# Altium PCB Encode.PcbDoc
Units mm, origin at the board's own origin, x right, y up, seen from the top; angles counter-clockwise.
Board outline 19.1 x 19.1 mm, 2 copper layers (Top Layer, Bottom Layer), stack 0.8 mm thick; 4 components, 10 nets, 50 pads, 13 vias.
Unrouted connection lines stored in the file: 4.
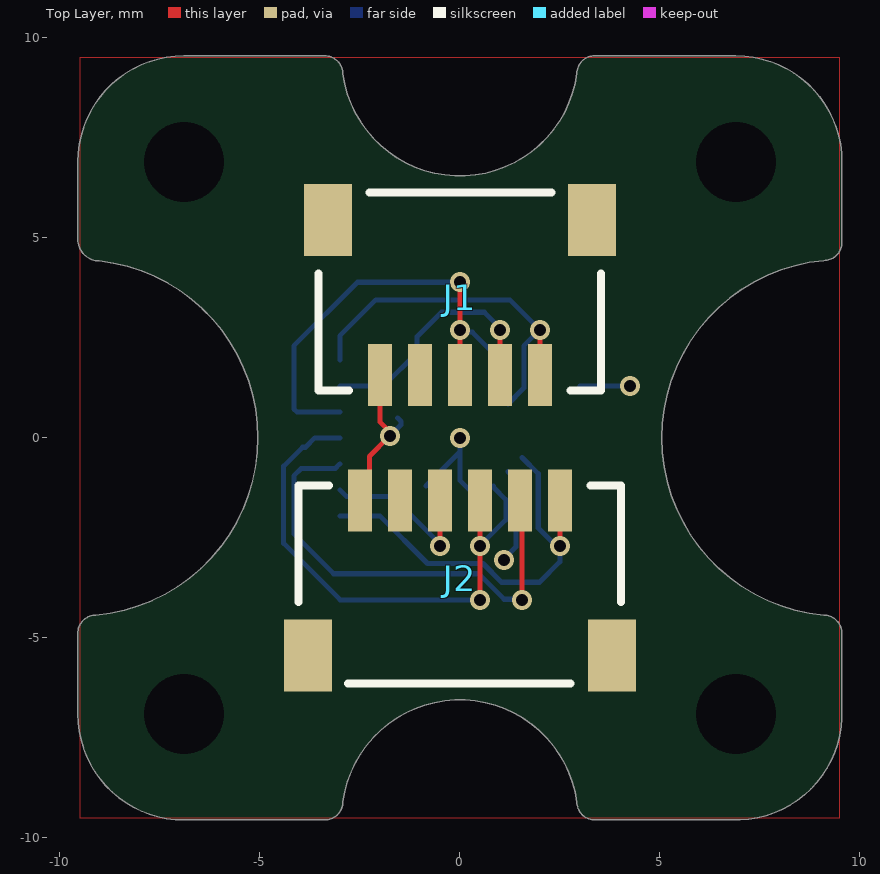
[diagram p0: Top Layer view]
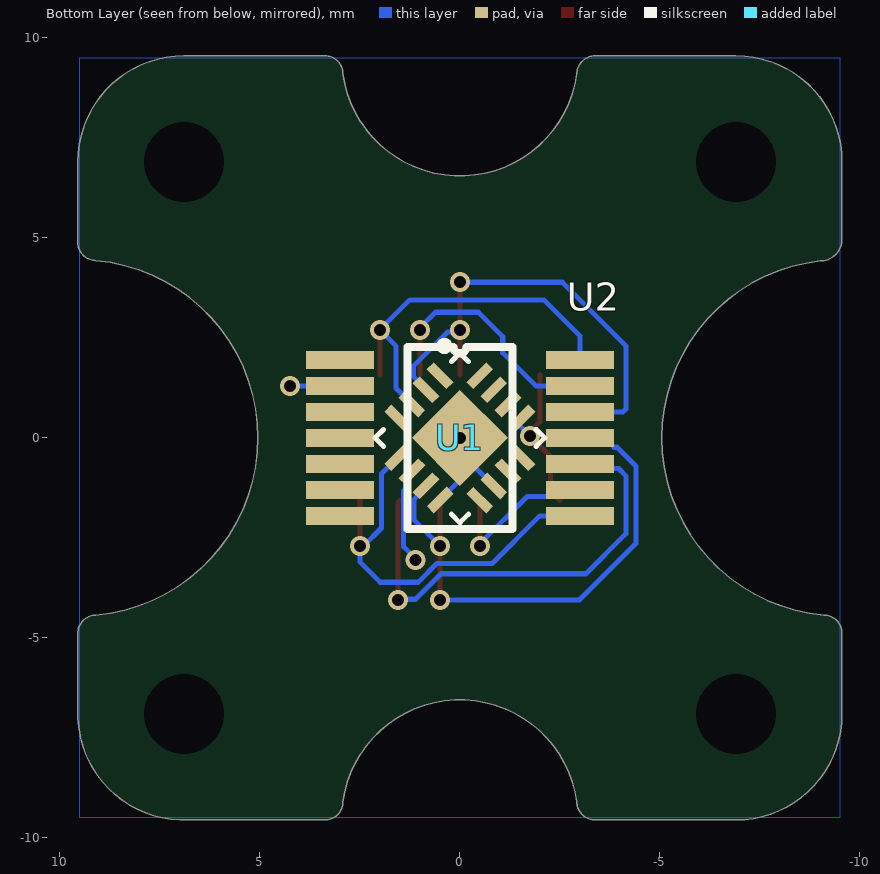
[diagram p1: Bottom Layer view, seen from below]

## Layer stack, top to bottom
Top Solder: solder mask 0.01, Solder Resist, Dk 3.5
Top Layer: signal copper 0.035
Dielectric 1: dielectric 0.73, FR-4, Dk 4.8
Bottom Layer: signal copper 0.035
Bottom Solder: solder mask 0.01, Solder Resist, Dk 3.5

## Board outline
-9.552,-6.9 ccw(c-6.9,-6.9) -6.9,-9.552 -6.886,-9.55 -3.378,-9.55 ccw(c-3.378,-9.097) -2.924,-9.1 cw(c0,-9.5) 2.925,-9.107 ccw(c3.372,-9.103) 3.372,-9.55 6.886,-9.55 7.003,-9.55 ccw(c6.9,-6.9) 9.55,-7.005 9.55,-6.886 9.55,-4.886 ccw(c9.097,-4.886) 9.099,-4.433 cw(c9.5,0) 9.099,4.433 ccw(c9.097,4.886) 9.55,4.886 9.55,6.886 9.552,6.9 ccw(c6.9,6.9) 6.9,9.552 6.886,9.55 3.367,9.55 ccw(c3.367,9.11) 2.926,9.113 cw(c0,9.5) -2.924,9.1 ccw(c-3.378,9.097) -3.378,9.55 -6.886,9.55 -6.9,9.552 ccw(c-6.9,6.9) -9.552,6.9 -9.55,6.886 -9.55,4.961 ccw(c-9.014,4.961) -9.016,4.424 cw(c-9.5,0) -5.049,0 cw(c-9.5,0) -9.104,-4.433 ccw(c-9.101,-4.882) -9.55,-4.882

## Design rules (kind name [scope] priority, off if disabled: settings)
BoardOutlineClearance [All] p1: gap=0.254 ignorepadtopadclearanceinfootprint=FALSE except(0: Arc-SplitContinuation Track-SplitContinuation SMDPad-SplitContinuation THPad-SplitContinuation Via-SplitContinuation Fill-SplitContinuation Poly-SplitContinuation Region-SplitContinuation Text-SplitContinuation)
Clearance [All] p1: gap=0.128 ignorepadtopadclearanceinfootprint=FALSE
PlaneConnect [All] p1: pad.planeconnectstyle=Relief pad.reliefexpansion=0.508 pad.reliefentries=4 pad.reliefconductorwidth=0.254 pad.reliefairgap=0.254 via.planeconnectstyle=Direct via.reliefexpansion=0.508 via.reliefentries=4 via.reliefconductorwidth=0.254 via.reliefairgap=0.254
PolygonConnect [All] p1: thpad.connectstyle=Relief thpad.reliefconductorwidth=0.254 thpad.reliefentries=4 thpad.polygonreliefangle="90 Angle" thpad.airgapwidth=0.254 smdpad.connectstyle=Relief smdpad.reliefconductorwidth=0.254 smdpad.reliefentries=4 smdpad.polygonreliefangle="90 Angle" smdpad.airgapwidth=0.254 via.connectstyle=Direct via.reliefconductorwidth=0.254 via.reliefentries=4 via.polygonreliefangle="90 Angle" via.airgapwidth=0.254
RoutingVias [All] p1: holewidth=0.3 width=0.5 viastyle="Through Hole" minholewidth=0.3 minwidth=0.5 maxholewidth=0.7 maxwidth=1.27
SolderMaskExpansion [All] p1: expansion=0.102 istentingtop=FALSE
SupplyNets "Schematic Supply Nets_1" [InNet('GND')] p1: voltage=0.000
SupplyNets "Schematic Supply Nets" [InNet('VCC')] p2: voltage=0.000
Width [All] p1: maxlimit=0.254 minlimit=0.127 preferedwidth=0.254
29 further rules are at their usual default settings.

## Components (designator, comment, footprint, x,y, rotation, side; value= is the part's Value field where it differs from the comment)
J1 "SM05B-SRSS-TB(LF)(SN)" "JST SM05B-SRSS-TB" 0,3.6 r0 top
J2 "SM06B-SRSS-TB(LF)(SN)" "JST SM06B-SRSS-TB" 0,-3.6 r180 top
U1 "MA702" IC_MA702GQ-Z 0,0 r225 bottom
U2 "A1339/AAS33001" TSSOP14 0,0 r180 bottom

## Footprints (in the part's own frame and the unit in brackets; to place one, negate y for a bottom-side part, rotate by r counter-clockwise, add the part's x,y. Pads: shape width x height; smd on the part's side, far side on the other; paste and mask are expansions set on the pad)
IC_MA702GQ-Z [mm]
  rect 0.7x0.25 smd: 1(-1.45,0.75) 2(-1.45,0.25) 3(-1.45,-0.25) 4(-1.45,-0.75) 9(1.45,-0.75) 10(1.45,-0.25) 11(1.45,0.25) 12(1.45,0.75)
  rect 0.25x0.7 smd: 5(-0.75,-1.445) 6(-0.25,-1.445) 7(0.25,-1.445) 8(0.75,-1.445) 13(0.75,1.45) 14(0.25,1.45) 15(-0.25,1.45) 16(-0.75,1.45)
  rect 1.7x1.7 smd paste-0.328: 17(0,0)
  silkscreen extent -2,-1.5 1.5,1.5, body extent -1.5,-1.5 1.5,1.5, height 1
"JST SM05B-SRSS-TB" [mm] "1.0mm pitch/Disconnectable Crimp style connector"
  rect 0.6x1.55 smd: 1(-2,-2.032) 2(-1,-2.032) 3(0,-2.032) 4(1,-2.032) 5(2,-2.032)
  rect 1.2x1.8 smd: M(-3.3,1.843) M(3.3,1.843)
  silkscreen extent -3.53,-2.41 3.53,2.54, body extent -3.5,-2.38 3.5,2.57, height 2.95
"JST SM06B-SRSS-TB" [mm] "1.0mm pitch/Disconnectable Crimp style connector"
  rect 0.6x1.55 smd: 1(-2.5,-2.032) 2(-1.5,-2.032) 3(-0.5,-2.032) 4(0.5,-2.032) 5(1.5,-2.032) 6(2.5,-2.032)
  rect 1.2x1.8 smd: M(-3.8,1.843) M(3.8,1.843)
  silkscreen extent -4.03,-2.41 4.03,2.54, body extent -4,-2.38 4,2.57, height 2.95
TSSOP14 [mm]
  rect 1.7x0.45 smd: 1(-3,1.95) 2(-3,1.3) 3(-3,0.65) 4(-3,0) 5(-3,-0.65) 6(-3,-1.3) 7(-3,-1.95) 8(3,-1.95) 9(3,-1.3) 10(3,-0.65) 11(3,0) 12(3,0.65) 13(3,1.3) 14(3,1.95)
  silkscreen extent -1.32,-2.28 1.32,2.27, body extent -3.2,-2.55 3.2,2.55, height 1.2

## Part data
J1: "CONN HEADER SMD R/A 5POS 1MM", Current Rating (Amps)=0.7A, Insulation Color=Natural, Manufacturer="JST Sales America Inc.", Material Flammability Rating="UL94 V-0", Operating Temperature="-25°C ~ 85°C", Supplier Part Number 1=455-1805-1-ND, Voltage Rating=50V, ComponentLink1Description=Datasheet, ComponentLink1URL=http://www.jst-mfg.com/product/pdf/eng/eSH.pdf, ComponentLink2Description="DigiKey Link", ComponentLink2URL=http://digikey.com/product-detail/en/jst-sales-america-inc/SM05B-SRSS-TB-LF-SN/455-1805-1-ND/926876, Connector Type=Header, Contact Finish - Mating=Tin, Contact Finish - Post=Tin, Contact Material="Copper Alloy", Contact Shape=Square, Contact Type="Male Pin", Fastening Type=Push-Pull, Features="Solder Retention", Insulation Height="0.114\" (2.90mm)", Insulation Material="Polyamide (PA), Nylon", LastUpdated="1/12/2020 11:42:04 PM", Lifecycle Status=Active, Minimum Order=1, Mounting Type="Surface Mount, Right Angle", Number of Positions=5, Number of Positions Loaded=All, Number of Rows=1, Packaging=TapeAndReel, Part Number=SM05B-SRSS-TB(LF)(SN), Part Status=Active, PartId=63, Pitch - Mating="0.039\" (1.00mm)", Price=0.32, Series=SR, Shrouding="Shrouded - 4 Wall", Style="Board to Cable/Wire", Supplier 1=DigiKey, Termination=Solder
J2: "CONN HEADER SMD R/A 6POS 1MM", Current Rating (Amps)=0.7A, Insulation Color=Natural, Manufacturer="JST Sales America Inc.", Material Flammability Rating="UL94 V-0", Operating Temperature="-25°C ~ 85°C", Supplier Part Number 1=455-1806-1-ND, Voltage Rating=50V, ComponentLink1Description=Datasheet, ComponentLink1URL=http://www.jst-mfg.com/product/pdf/eng/eSH.pdf, ComponentLink2Description="DigiKey Link", ComponentLink2URL=http://digikey.com/product-detail/en/jst-sales-america-inc/SM06B-SRSS-TB-LF-SN/455-1806-1-ND/926877, Connector Type=Header, Contact Finish - Mating=Tin, Contact Finish - Post=Tin, Contact Material="Copper Alloy", Contact Shape=Square, Contact Type="Male Pin", Fastening Type=Push-Pull, Features="Solder Retention", Insulation Height="0.114\" (2.90mm)", Insulation Material="Polyamide (PA), Nylon", LastUpdated="1/12/2020 11:42:14 PM", Lifecycle Status=Active, Minimum Order=1, Mounting Type="Surface Mount, Right Angle", Number of Positions=6, Number of Positions Loaded=All, Number of Rows=1, Packaging=TapeAndReel, Part Number=SM06B-SRSS-TB(LF)(SN), Part Status=Active, PartId=64, Pitch - Mating="0.039\" (1.00mm)", Price=0.36, Series=SR, Shrouding="Shrouded - 4 Wall", Style="Board to Cable/Wire", Supplier 1=DigiKey, Termination=Solder
U1: "Hall effect encoder"

## Free pads (board coordinates)
  round 0 hole 2 unplated: 1(-6.9,-6.9) 1(-6.9,6.9) 1(6.9,-6.9) 1(6.9,6.9)

## Via types
v1: diameter 0.5, hole 0.3, Top Layer to Bottom Layer, tented both sides, 13 vias

## Nets (pads, with @x,y where several pads share a name; then routed paths per layer and width w, separated by ;. In a path a pad name is that pad's centre, name@x,y a point inside that pad or via, vN(x,y) a via of type N, cw(c..) or ccw(c..) an arc to the next point about the centre after c; other vN are vias at no path point)
A: J1.3 U1.2 U2.12 | length 12.2
  Top Layer w0.127: J1.3 v1(0,3.892)
  Bottom Layer w0.127: U2.12 -4.076,0.65 -4.15,0.724 -4.15,2.3 -2.558,3.892 v1(0,3.892) ; v1(0,2.7) 0.058,2.642 0.311,2.642 1.166,1.787 1.166,1.544 0.849,1.226 U1.2
B: J1.4 U1.6 U2.13 | length 8.8
  Top Layer w0.127: J1.4 v1(1,2.7)
  Bottom Layer w0.127: U2.13 -1.9,1.3 -1.071,2.129 -1.071,2.529 -0.459,3.141 0.609,3.141 1,2.75 v1(1,2.7) ; v1(1.108,-3.049) 1.108,-3.019 1.405,-2.723 1.405,-1.311 1.358,-1.264 1.358,-1.004 U1.6
BYP: U2.1
C\S\: J2.1 U1.5 U2.8 | length 10.6
  Top Layer w0.127: v1(2.5,-2.7) J2.1
  Bottom Layer w0.127: U2.8 -2,-1.95 -0.808,-3.141 0.576,-3.141 1.043,-3.608 1.992,-3.608 2.5,-3.1 v1(2.5,-2.7) 2.404,-2.7 1.958,-2.254 1.958,-0.898 U1.5
GND: J1.2 J2.5 U1.8 U1.10 U1.17 U2.3 U2.5 U2.6 U2.7 | length 3
  Bottom Layer w0.127: U1.10 U1.17@0,-0.354 ; v1(0,0) U1.17@0,-0.354 ; U1.8 0,-1.061 U1.17@0,-0.354
I: J1.5 U1.3 U2.14 | length 9.6
  Top Layer w0.127: J1.5 v1(2,2.7)
  Bottom Layer w0.127: U2.14 -3,2.55 -2.1,3.45 1.25,3.45 v1(2,2.7) 1.6,2.3 1.6,1.246 U1.3
MISO: J2.3 U1.7 U2.11 | length 13.5
  Top Layer w0.127: v1(0.5,-4.05) v1(0.5,-2.7) J2.3
  Bottom Layer w0.127: U2.11 -3.625,0 -3.859,-0.234 -3.929,-0.234 -4.405,-0.709 -4.405,-2.635 -2.99,-4.05 v1(0.5,-4.05) ; v1(0.5,-2.7) 1.15,-2.05 1.15,-1.545 0.845,-1.24 U1.7
MOSI: J2.2 U1.4 U2.10 | length 11.6
  Top Layer w0.127: J2.2 1.55,-1.618 v1(1.55,-4.05)
  Bottom Layer w0.127: U2.10 -3.116,-0.766 -3.966,-0.766 -4.15,-0.95 -4.15,-2.4 -3.153,-3.397 0.471,-3.397 1.109,-4.035 1.535,-4.035 v1(1.55,-4.05)
SCLK: J2.4 U1.15 U2.9 | length 4.2
  Top Layer w0.127: v1(-0.5,-2.7) J2.4
  Bottom Layer w0.127: U2.9 -2.839,-1.462 -1.688,-1.462 -0.5,-2.65 v1(-0.5,-2.7)
VCC: J1.1 J2.6 U1.13 U2.2 | length 5.4
  Top Layer w0.127: J2.6 -2.263,-1.332 -2.263,-0.463 v1(-1.75,0.05) -1.75,0.151 -2,0.401 J1.1
  Bottom Layer w0.127: v1(-1.75,0.05) -1.474,0.326 -1.474,0.413 U1.13 ; U2.2 v1(4.25,1.3)
pads on no net: J1.M J2.M U1.1 U1.9 U1.11 U1.12 U1.14 U1.16 U2.4

## Polygon pours and split planes (outlines as drawn)
GND on Bottom Layer "NONET_L02_P-001" (solid, shelved, pour order 0): -9.5,9.5 -9.5,-9.5 9.5,-9.5 9.5,9.5
GND on Top Layer "NONET_L02_P-001" (solid, shelved, pour order 1): -9.5,9.5 -9.5,-9.5 9.5,-9.5 9.5,9.5

## Silkscreen, mask and mechanical layers (free items; w line width, h text height)
Top Solder:
  circle w0.8: c6.9,-6.9 r1.4
  circle w0.8: c6.9,6.9 r1.4
  circle w0.8: c-6.9,6.9 r1.4
  circle w0.8: c-6.9,-6.9 r1.4
Bottom Solder:
  circle w0.8: c6.9,6.9 r1.4
  circle w0.8: c6.9,-6.9 r1.4
  circle w0.8: c-6.9,6.9 r1.4
  circle w0.8: c-6.9,-6.9 r1.4
Board Outline:
  lines w0.1: -9.502,-6.9 ccw(c-6.9,-6.9) -6.9,-9.502 ; -9.502,6.9 cw(c-6.9,6.9) -6.9,9.502 ; -9.5,-7 -9.5,-5.1 -9.5,-4.882 cw(c-9.101,-4.882) -9.101,-4.483 ccw(c-9.5,0) -9.014,4.475 cw(c-9.014,4.961) -9.5,4.961 -9.5,7 ; -7,-9.5 -3.5,-9.5 ; -7,9.5 -3.6,9.5 -3.378,9.5 cw(c-3.378,9.097) -2.974,9.097 ccw(c0,9.5) 2.976,9.11 cw(c3.367,9.11) 3.367,9.5 3.75,9.5 6.902,9.5 ; 6.9,-9.502 ccw(c6.9,-6.9) 9.502,-6.9 ; 6.9,9.502 cw(c6.9,6.9) 9.502,6.9 ; 7.001,-9.5 3.85,-9.5 3.372,-9.5 cw(c3.372,-9.103) 2.975,-9.103 ccw(c0,-9.5) -2.974,-9.097 cw(c-3.378,-9.097) -3.378,-9.5 -3.5,-9.5 ; 9.5,-7.001 9.5,-5.1 9.5,-4.886 ccw(c9.097,-4.886) 9.097,-4.483 cw(c9.5,0) 9.097,4.483 ccw(c9.097,4.886) 9.5,4.886 9.5,5.1 9.5,6.902 ; -3.5,-9.5 -3.5,-9.5

## Dimensions
-9.5,-9.5 to -9.5,9.5 on Dimensions